# Altium PCB board_layout.pcbdoc (part 3 of 3)
Units mm, origin at the board's own origin, x right, y up, seen from the top; angles counter-clockwise.
Board outline 92.13 x 89.13 mm, 2 copper layers (Top Layer, Bottom Layer), stack 1.57 mm thick; 193 components, 117 nets, 632 pads, 279 vias.
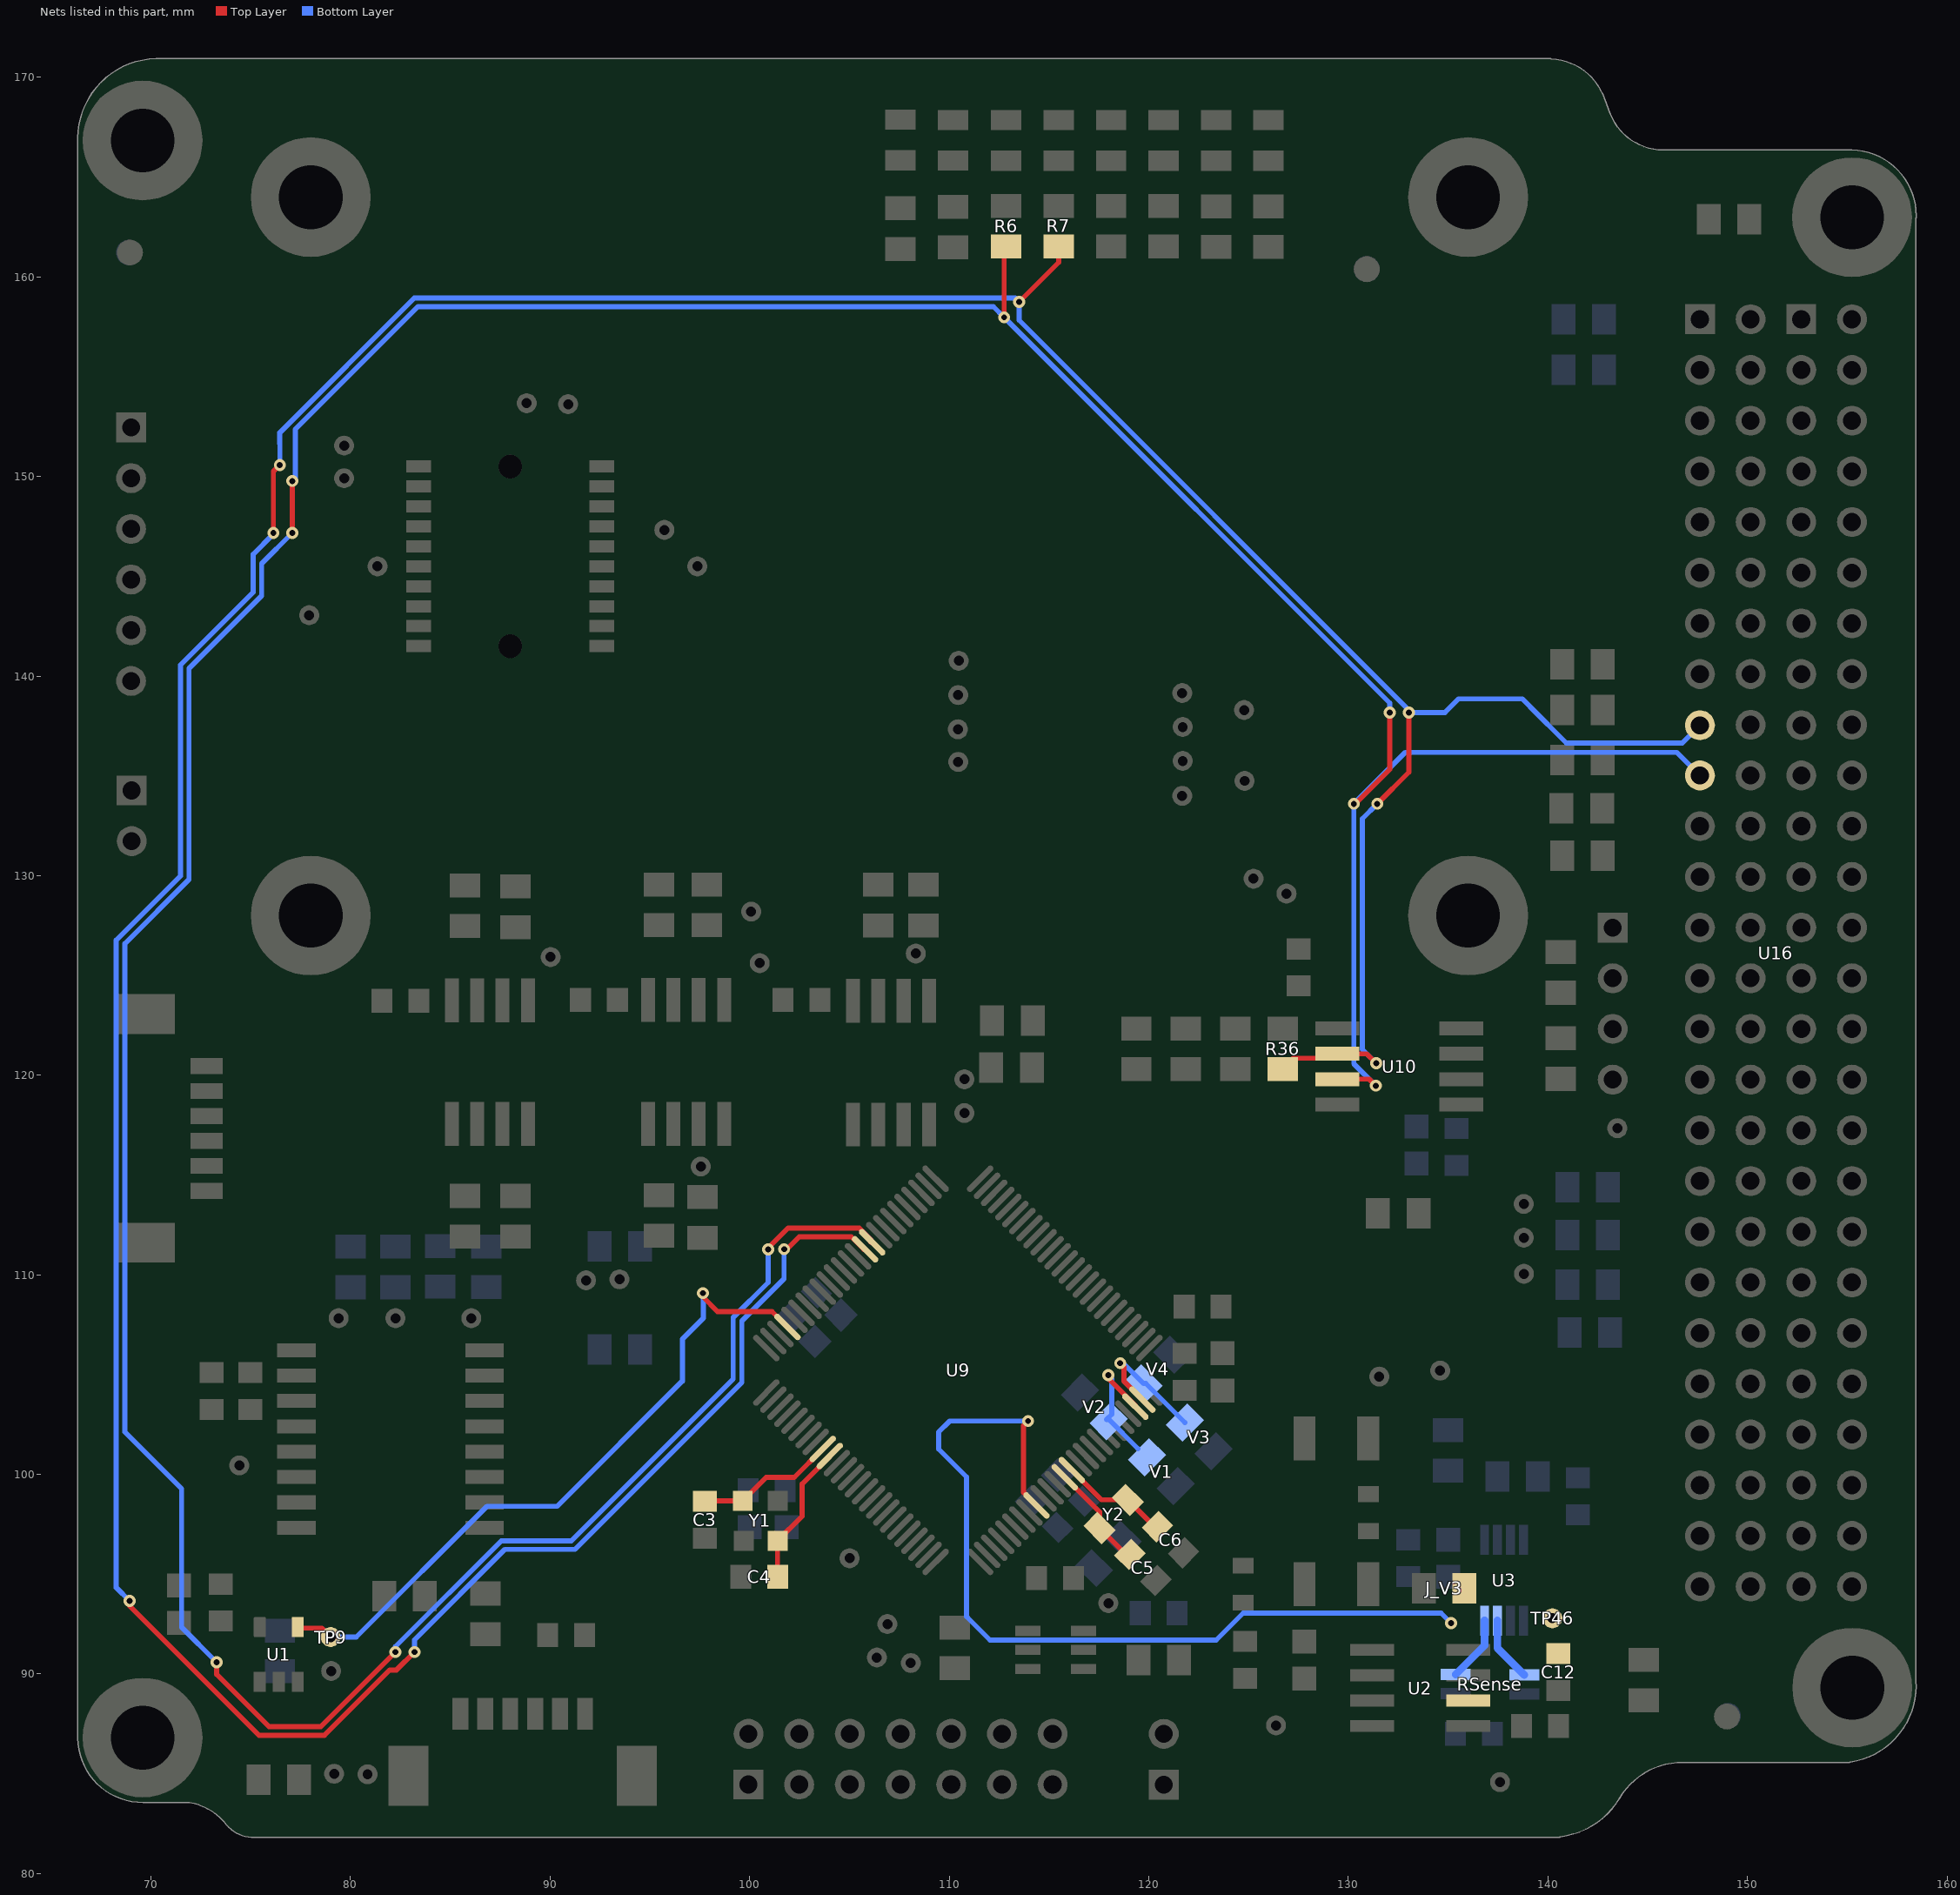
[diagram p3: the nets of this part, all layers, seen from the top]

## Via types
v1: diameter 0.6, hole 0.3, Top Layer to Bottom Layer, tented both sides, 235 vias
v2: diameter 0.8, hole 0.4, Top Layer to Bottom Layer, tented both sides, 25 vias
v3: diameter 0.8, hole 0.4, Top Layer to Bottom Layer, tented bottom, 9 vias
v4: diameter 0.8, hole 0.4, Top Layer to Bottom Layer, tented top, 8 vias
v5: diameter 0.8, hole 0.4, Top Layer to Bottom Layer, 2 vias

## Nets (pads, with @x,y where several pads share a name; then routed paths per layer and width w, separated by ;. In a path a pad name is that pad's centre, name@x,y a point inside that pad or via, vN(x,y) a via of type N, cw(c..) or ccw(c..) an arc to the next point about the centre after c; other vN are vias at no path point) (continued)
UART1_RX: R7.1 R36.1 U9.61 U10.2 U16.H1-17 | length 227.6
  Top Layer w0.254: v1(68.925,93.661) 68.925,93.414 75.414,86.925 78.686,86.925 81.962,90.201 82.301,90.201 v1(83.2,91.1) ; v1@76.133,147.45 76.133,150.256 v1(76.454,150.576) ; v1(101.725,111.286) 101.861,111.286 102.483,111.909 105.089,111.909 U9.61@105.719,111.279 ; v1(113.5,158.75) 115.486,160.736 R7.1@115.486,161.532 ; R36.1@126.704,120.309 127.245,120.85 129.229,120.85 U10.2@129.454,121.075 130.925,121.075 v1(131.4,120.6) ; v1(131.45,133.6) 133.039,135.189 v1(133.039,138.175) v1@133.039,138.289
  Bottom Layer w0.254: v1(68.925,93.661) 68.257,94.329 68.257,126.77 71.473,129.986 71.473,140.561 75.114,144.202 75.114,146.099 v1@76.133,147.119 ; v1(76.454,150.576) 76.454,151.635 76.454,152.2 83.194,158.94 113.309,158.94 v1(113.5,158.75) 113.5,157.836 133.039,138.297 v1@133.039,138.289 ; v1(83.2,91.1) 83.2,91.709 87.732,96.241 91.244,96.241 99.605,104.602 99.605,107.684 101.725,109.804 v1(101.725,111.286) ; v1(131.4,120.6) 130.707,121.293 130.707,132.857 v1(131.45,133.6) ; v1(133.039,138.175) 134.838,138.175 135.518,138.855 138.725,138.855 139.105,138.476 139.105,138.47 140.925,136.65 146.735,136.65 U16.H1-17@147.62,137.535
  other v1: 76.133,147.171
UART1_TX: R6.1 U9.60 U10.3 U16.H1-19 | length 225.7
  Top Layer w0.254: v1(73.287,90.587) 73.287,89.982 75.913,87.357 78.507,87.357 v1(82.25,91.1) ; v1@77.075,147.45 v1(77.075,149.775) ; v1(100.93,111.275) 100.93,111.347 101.924,112.34 105.492,112.34 106.072,111.76 106.072,111.632 U9.60@106.136,111.632 ; v1(112.75,157.975) 112.75,161.424 R6.1@112.857,161.532 ; U10.3@129.454,119.805 131.045,119.805 v1(131.375,119.475) ; v1@130.312,133.562 132.075,135.325 v1(132.075,138.175)
  Bottom Layer w0.254: v1(73.287,90.587) 71.534,92.341 71.534,99.281 68.689,102.126 68.689,126.591 71.905,129.807 71.905,140.382 75.545,144.023 75.545,145.641 v1(77.075,147.171) ; v1(77.075,149.775) 77.225,149.925 77.225,152.361 83.373,158.509 112.216,158.509 v1(112.75,157.975) 132.075,138.65 v1(132.075,138.175) ; v1(82.25,91.1) 82.25,91.369 87.553,96.673 91.065,96.673 99.173,104.781 99.173,107.863 100.93,109.619 v1(100.93,111.275) ; v1(131.375,119.475) 130.275,120.575 v1(130.275,133.6) 132.855,136.18 146.46,136.18 U16.H1-19@147.62,135.02
VERSION_BIT0: U9.23 V1.1 V2.2 | length 6.7
  Top Layer w0.254: v1(117.975,104.975) 117.975,104.808 119.324,103.46 U9.23@119.324,103.395
  Bottom Layer w0.254: v1(117.975,104.975) 118.145,104.805 118.145,103.015 117.886,102.757 117.993,102.757 119.457,101.293
VERSION_BIT1: U9.24 V3.1 V4.2 | length 6.8
  Top Layer w0.254: v1(118.567,105.575) 118.75,105.392 118.75,104.675 U9.24@119.677,103.748
  Bottom Layer w0.254: v1(118.567,105.575) 118.713,105.575 V4.2@119.732,104.557 119.843,104.557 V3.1@121.807,102.593
VREF: C12.1 J_V3.1 TP46.1 U2.6 U9.9 | length 44.7
  Top Layer w0.254: v1(113.95,102.675) 113.725,102.45 113.725,99.094 U9.9@114.374,98.445
  Bottom Layer w0.254: v1(113.95,102.675) 110.025,102.675 109.475,102.125 109.475,101.269 110.868,99.875 110.868,92.871 112.039,91.7 123.375,91.7 124.725,93.05 134.65,93.05 v1(135.15,92.55)
VSENSE2_N: RSense.4 U3.7 | length 3.3
  Bottom Layer w0.381: U3.7@137.475,92.675 137.475,91.3 RSense.4@138.825,89.95
VSENSE2_P: RSense.3 U3.8 | length 3.3
  Bottom Layer w0.381: RSense.3@135.375,89.975 136.825,91.425 U3.8@136.825,92.675
WDI_EXT: TP9.1 U1.4 U9.72 | length 34.8
  Top Layer w0.254: U1.4@77.35,92.35 77.3,92.3 78.55,92.3 TP9.1@79,91.85 ; v1(97.655,109.08) 97.655,108.895 98.39,108.16 101.123,108.16 U9.72@101.894,107.39
  Bottom Layer w0.254: TP9.1@79,91.85 80.288,91.85 86.838,98.4 90.35,98.4 96.625,104.675 96.625,106.775 97.672,107.822 97.672,109.063 v1(97.655,109.08)
XT1IN: C5.2 U9.13 Y2.1 | length 5.3
  Top Layer w0.254: U9.13@115.788,99.859 117.532,98.116 Y2.1@117.532,97.312 118.851,95.992 C5.2@119.054,95.992
XT1OUT: C6.2 U9.14 Y2.2 | length 5.6
  Top Layer w0.254: U9.14@116.142,100.213 117.628,98.726 Y2.2@118.946,98.726 120.356,97.316 C6.2@120.523,97.316
XT2_N: C3.1 U9.84 Y1.1 | length 7
  Top Layer w0.254: C3.1@97.75,98.65 97.775,98.675 Y1.1@99.65,98.675 100.825,99.85 102.238,99.85 U9.84@103.661,101.273
XT2_P: C4.1 U9.85 Y1.3 | length 7.1
  Top Layer w0.254: C4.1@101.397,94.861 101.397,96.672 Y1.3@101.4,96.675 102.625,97.9 102.625,99.518 U9.85@104.021,100.914
pads on no net: FD1.FD0 FD2.FD0 FD3.FD0 FD4.FD0 FD5.FD0 FD6.FD0 MEC1.0 MEC2.0 MEC3.0 MEC5.0 MEC6.0 MEC7.0 P1.0 P2.3 P2.4 P2.5 P2.6 P2.8 P2.10 P2.11 P2.13 P3.None P4.0 U2.1 U2.3 U2.7 U2.8 U3.4 U3.5 U3.6 U5.4 U5.5 U5.6 U5.11 U5.12 U5.13 U5.14 U9.4 U9.16 U9.20 U9.29 U9.30 U9.41 U9.58 U9.59 U9.62 U9.68 U9.69 U9.76 U9.77 U9.78 U9.79 U9.80 U9.81 U9.82 U9.86 U9.87 U9.88 U16.H1-2 U16.H1-4 U16.H1-5 U16.H1-6 U16.H1-10 U16.H1-13 U16.H1-14 U16.H1-15 U16.H1-16 U16.H1-22 U16.H1-24 U16.H1-25 U16.H1-26 U16.H1-27 U16.H1-28 U16.H1-33 U16.H1-34 U16.H1-36 U16.H1-38 U16.H1-42 U16.H1-44 U16.H1-47 U16.H1-48 U16.H1-49 U16.H1-50 U16.H1-51 U16.H1-52 U16.H2-1 U16.H2-2 U16.H2-5 U16.H2-6 U16.H2-7 U16.H2-9 U16.H2-10 U16.H2-15 U16.H2-16 U16.H2-17 U16.H2-19 U16.H2-21 U16.H2-23 U16.H2-24 U16.H2-25 U16.H2-26 U16.H2-27 U16.H2-28 U16.H2-33 U16.H2-34 U16.H2-37 U16.H2-38 U16.H2-43 U16.H2-44 U16.H2-47 U16.H2-48 U16.H2-50 U16.H2-52
copper on no net: | length 16.6
  Top Layer w0.2: 76.975,168.763 77.15,168.763 ; 76.975,169.588 77.15,169.763 77.15,168.763 ; 77.325,168.763 77.15,168.763 ; 76.375,168.463 76.375,170.063 77.875,170.063 77.875,168.463 76.375,168.463
  Bottom Layer w0.2: 78.675,169.588 78.85,169.763 79.175,169.763 79.325,169.613 79.325,169.413 78.675,168.763 79.325,168.763 ; 78.275,168.463 78.275,170.063 79.775,170.063 79.775,168.463 78.275,168.463

## Polygon pours and split planes (outlines as drawn)
GND on Top Layer "Top Layer-GND 8" (solid, remove dead copper, pour order 136): 158.434,164.243 156.475,166.175 145.672,166.175 141.044,170.803 75.8,170.803 68.55,170.804 66.55,168.804 66.55,85.675 68.7,83.525 72.508,83.525 74.3,81.733 140.544,81.733 142.102,81.727 146.05,85.675 156.425,85.675 158.434,87.684
ANTENNA_VCC on Top Layer "Top Layer-ANTENNA_VCC" (solid, pour order 92): 94.99,132.75 95.34,133.1 108.264,133.1 108.614,132.75 108.614,132.028 76.453,132.028 74.375,129.95 74.375,120.475 73.7,119.8 73.7,118.8 71.919,118.8 71.919,121.344 73.45,122.875 73.45,130.325 76.075,132.95 78.9,135.775 78.9,140.125 70,149.025 68.7,149.025 68.262,149.463 68.262,153.2 70.835,153.2 74.76,157.125 104.475,157.125 106.797,159.447 106.797,161.675 108.3,161.675 108.3,160.625 104.6,156.925 98.344,156.925 74.863,156.925 70.575,152.637 70.575,149.45 72.662,147.363 73.35,146.675 76.537,146.675 77.5,145.712 78.863,145.712 81.775,142.8 83.9,142.8 83.9,142.2 79.8,142.2 79.8,134.893 81.986,132.75
3V3_Buffers on Top Layer "Top Layer-3V3_Buffers" (solid, pour order 16): 113.25,123.975 111.787,123.975 110.8,124.962 110.8,127.35 109.625,128.525 105.485,128.525 105.485,125.819 105.75,125.554 105.75,122.584 103.62,122.584 102.992,123.212 102.992,124.467 104.891,126.366 104.891,128.284 103.925,129.25 99.65,129.25 98.85,128.45 94.441,128.45 93.855,127.864 93.855,125.695 94.3,125.25 94.85,125.25 95.25,124.85 95.25,122.584 93.441,122.584 92.85,123.175 92.85,124.735 93.2,125.068 93.2,128.225 92.85,128.575 92.175,129.25 89.55,129.25 88.75,128.45 84.625,128.45 84.625,126.85 85.5,125.975 85.5,121.827 81.525,117.852 81.525,116.011 84.631,112.906 88.906,112.894 90.835,110.965 90.861,109.396 91.332,108.925 94.675,108.925 94.675,113.025 98.75,113.025 98.75,111.279 95.642,111.279 95.172,110.809 95.172,108.734 94.925,108.487 90.788,108.487 88.55,110.725 86.225,110.725 81.05,115.9 81.05,118.125 82.9,119.975 82.9,128.575 84.475,130.15 109.725,130.15 115.712,124.162 117.677,124.162 118.602,123.25 124.3,123.25 126.075,125.025 128.275,125.025 130.2,123.1 130.95,123.1 132.64,121.41 132.64,115.824 132.375,115.559 132.375,112.209 130.85,112.209 130.85,115.125 132.1,116.375 132.1,121 131.525,121.575 118.5,121.575 118,122.075 117.2,122.075 115.55,120.425 115.55,119.475 113.25,119.475
3V3_Watchdog_Circuit on Top Layer "Top Layer-3V3_Watchdog_Circuit" (solid, pour order 22): 82.275,94.675 80.559,94.675 80.284,94.4 75.864,94.4 74.639,93.175 70.8,93.175 70.8,92.025 72.05,90.775 73.1,90.775 73.475,90.4 77.895,90.4 78.2,90.705 78.2,91.55 76.75,91.55 76.75,93.125 79.375,93.125 82.275,93.125
AGND on Top Layer "Top Layer-AGND 1" (solid, pour order 60): 143.675,94.875 141.519,97.031 140.731,97.031 140.176,96.476 140.176,94.401 141.384,93.193 141.384,90.19 139.925,90.19 139.925,86.85 140.375,86.4 142.05,86.4 143.675,88.025
OBDH_AVCC on Top Layer "Top Layer-OBDH_AVCC" (solid, pour order 36): 115.692,89.605 115.692,90.611 114.628,91.675 112.96,91.675 112.96,92.66 114.234,93.934 114.975,93.934 114.975,95.4 113.175,95.4 112.38,94.605 111.807,94.593 110.433,95.967 109.575,95.108 109.575,93.713 110.063,93.225 111.375,93.225 111.375,91.189 112.96,89.605 113.914,88.65 121.85,88.65 126.05,84.45 132.35,84.45 134.525,86.625 134.525,95.45 132.338,97.637 130.375,97.637 130.375,93.372 131.853,93.372 133.163,92.062 133.163,90.863 132.525,90.225 131.3,90.225 131.3,89.65 132.325,89.65 133.039,88.936 133.039,86.875 131.964,85.8 129.376,85.8 128.4,86.776 128.4,89.05 128.4,90.525 128.175,90.75 123.488,90.75 123.302,90.564 122.343,89.605
AGND on Top Layer "Top Layer-AGND" (solid, pour order 32): 115.225,95.65 113.373,95.65 115.325,97.602 115.325,97.996 114.783,98.538 114.99,98.745 115.486,98.25 115.846,98.25 116.022,98.426 116.024,98.7 115.49,99.245 115.681,99.436 116.142,98.985 116.4,98.725 116.4,96.366 116.8,95.966 116.8,93.525 115.625,92.35 115.625,91.887 115.959,91.553 117.653,91.553 118.765,92.665 122.015,92.665 123.325,93.975 125.639,93.975 127.263,95.6 128.875,95.6 128.875,93.055 129.7,92.23 129.7,88.45 130.175,87.975 132.7,87.975 132.7,87.025 131.697,86.022 129.553,86.022 128.7,86.875 128.7,90.65 128.35,91 123.375,91 122.145,89.77 120.415,89.77 120.415,91.75 118.626,91.75 117.826,90.95 115.825,90.95 115.225,91.55 115.225,92.85
OBDH_DVCC on Top Layer "Top Layer-OBDH_DVCC" (solid, pour order 14): 132.8,105.425 132.075,106.15 132.075,109.675 134.3,111.9 134.3,113.991 132.625,113.991 132.625,111.591 129.725,108.691 129.725,105.55 128.675,104.5 119.425,104.5 120.55,103.375 128.934,103.375 130.375,101.934 130.375,98.6 131.6,98.6 131.6,103.15 132.8,104.35
3V3_MEMORY on Top Layer "Top Layer-3V3_MEMORY" (solid, pour order 20): 76.467,105.1 75.85,105.717 75.85,106.834 75.434,107.25 72.741,107.25 72.328,106.837 72.328,104.572 77.516,104.572 77.516,105.1
OBDH_DVCC on Top Layer "Top Layer-OBDH_DVCC 2" (solid, pour order 42): 83.125,94.711 83.717,95.3 89.1,95.3 89.6,94.8 89.6,93.434 89.316,93.15 83.125,93.15
JTAG_VCC on Top Layer "Top Layer-JTAG_VCC" (solid, pour order 28): 88.201,83.275 85.9,85.574 85.9,88.825 85.1,88.825 85.1,85.075 88.369,81.806 121.625,81.806 121.625,84.675 119.075,84.675 117.45,83.05 98.656,83.05 98.656,86.05 100.5,86.05 100.95,86.5 100.95,87.558 100.558,87.95 98.625,87.95 93.95,83.275
OBDH_VCC on Top Layer "Top Layer-OBDH_VCC" (solid, pour order 24): 144,91.7 144,100.6 146.475,103.075 150.6,103.075 151.1,102.575 151.1,101.45 150.55,100.9 146.845,100.9 145.925,99.98 145.925,89.875 144,89.875
OBDH_DVCC on Top Layer "Top Layer-OBDH_DVCC 3" (solid, pour order 96): 93.45,139 92.875,138.425 87.974,138.425 84.599,141.8 82.7,141.8 82.7,141.025 84.275,141.025 87.675,137.625 96.625,137.625 110.95,151.95 110.95,161.7 109.425,161.7 109.425,160.1 110.65,158.875 110.65,152.05 97.6,139
BATTERY_VCC on Top Layer "Top Layer-BATTERY_VCC" (solid, pour order 102): 82.8,143.2 82.8,143.8 84.6,143.8 88.5,147.7 88.5,149.731 88.933,150.164 89.836,150.164 90.3,149.7 90.3,148.7 84.8,143.2
ESD on Top Layer "Top Layer-ESD" (solid, pour order 124): 149.5,166.365 149.5,162.15 151,162.15 153.5,159.65 158.434,159.65 158.434,164.616 156.685,166.365
VREF on Top Layer "Top Layer-VREF" (solid, pour order 54): 137.85,88.5 139.075,88.5 139.5,88.925 139.5,90.5 141.125,90.5 141.125,93.025 138.75,95.4 134.725,95.4 134.725,93.097 134.725,92.325 135,92.05 135.375,92.05 137.197,92.05 137.896,91.351 137.896,89.366 137.364,88.834 135.9,88.834 135.9,88.5
COMMON_VCC on Top Layer "Top Layer-COMMON_VCC" (solid, pour order 26): 142.281,86.106 139.862,86.106 139.485,86.494 134.783,86.494 134.395,86.106 132.528,84.175 125.925,84.175 121.975,88.125 119.7,88.125 119.25,87.675 119.25,86.425 119.775,85.9 122.075,85.9 122.075,81.845 141.665,81.845 145.925,86.106 145.925,89.483 144,89.483 144,87.825
no net on Top Layer "Top Layer-No Net 6" (solid, pour order 64): 124.525,105.275
OBDH_DVCC on Top Layer "Top Layer-OBDH_DVCC 1" (solid, pour order 50): 105.74,109.2
no net on Top Layer "Top Layer-No Net 7" (solid, pour order 40): 84,92.1
no net on Top Layer "Top Layer-No Net" (solid, pour order 12): 130,98.5
no net on Top Layer "Top Layer-No Net 1" (solid, pour order 10): 130.3,98.3
no net on Top Layer "Top Layer-No Net 2" (solid, pour order 6): 130,98.5
no net on Top Layer "Top Layer-No Net 3" (solid, pour order 4): 130.3,98.6
no net on Top Layer "Top Layer-No Net 4" (solid, pour order 2): 132,98.6
no net on Top Layer "Top Layer-No Net 5" (solid, pour order 0): 131.7,98.6
GND on Bottom Layer "Bottom Layer-GND 8" (solid, remove dead copper, pour order 142): 68.375,170.95 66.375,168.95 66.375,85.821 68.525,83.671 72.333,83.671 74.125,81.879 141.921,81.879 145.875,85.821 156.725,85.821 158.307,87.403 158.307,164.114 156.1,166.321 145.422,166.321 140.793,170.95
AGND on Bottom Layer "Bottom Layer-AGND 1" (solid, pour order 56): 116.416,100.981 116.275,101.122 116.275,101.775 115.851,101.775 113.963,99.887 115.547,98.303 115.547,91.85 122.85,91.85 124.5,93.5 132.1,93.5 134.994,93.5 135.994,94.5 141.726,94.5 142.31,95.085 142.31,95.674 140.534,97.45 139.2,97.45 139.2,95.775 138.372,95.775 138.372,97.636 139.461,98.725 143.725,98.725 143.725,100.384 141.968,102.141 138.363,102.141 138.362,98.663 137.9,98.2 137.9,95.775 137.525,95.4 136.635,95.4 136.128,95.907 131.9,95.907 130.692,94.7 122.954,94.7
OBDH_DVCC on Bottom Layer "Bottom Layer-OBDH_DVCC" (solid, pour order 48): 119.325,106.144 120.858,104.611 123.996,107.75 129.275,107.75 129.8,107.225 129.8,104.925 133.4,101.325 136.517,101.325 137.442,102.25 142.011,102.25 143.975,100.286 143.975,92.6 140.688,89.313 138.025,89.313 138.025,88.45 141.25,88.45 145.125,92.325 145.125,100.9 142.85,103.175 134.825,103.175 129.65,108.35 122.324,108.35 120.73,106.756 117.843,106.743 115.475,104.375 109.625,104.375 107.325,106.675 107.325,108.761 103.711,112.4 101.325,112.4 99.7,114.025 97.508,114.025 95.883,115.614 93.067,115.614 91.975,116.706 91.975,117.475 93.275,118.775 94.597,118.775 95.341,119.519 95.341,121.172 94.475,122.038 94.475,124.192 93.179,125.488 93.179,136.168 95.05,138.04 95.05,139.034 93.28,139.034 92.55,138.304 92.55,124.7 93.825,123.425 93.825,120.175 92.55,118.9 91.325,117.675 91.325,115.73 92.718,114.337 94.188,114.337 95.064,113.461 99.357,113.461 99.785,113.033 99.785,112.46 99.5,112.175 99.025,112.175 98.8,112.4 94.362,112.4 94.362,109.575 97.218,109.575 97.993,110.35 99.125,110.35 100.55,111.775 101.95,111.775 102.279,111.446 102.318,109.402 105.975,105.745 105.975,103.75 104.795,102.57 104.069,102.585 101.25,99.767 101.25,99.175 101.25,96.425 98.383,93.557 90.068,93.557 89.392,94.233 89.418,95.125 88.35,95.125 88.025,94.8 88.025,93.431 88.515,92.941 98.941,92.941 100.8,94.8 101.55,94.8 104.475,97.725 106.325,97.725 108.437,95.613 108.437,93.557 109.475,93.557 109.475,95.725 104.795,100.405 104.795,101.382 106.163,102.75 107.432,102.75 108.439,103.725 115.625,103.725 116.476,102.874 117.525,103.922 117.525,105.4 118.266,106.141
BATTERY_VCC on Bottom Layer "Bottom Layer-BATTERY_VCC" (solid, pour order 100): 140.588,105.725 135.989,110.323 134.865,110.323 133.813,111.375 123.974,111.375 118.692,111.375 114.775,115.292 114.775,123.475 108.825,129.425 108.275,129.425 105.3,132.4 105.3,143.9 100.275,148.925 91.089,148.925 90.068,149.9 88.8,149.9 88.8,148.3 99.905,148.3 104.575,143.629 104.575,132.054 110.029,126.6 110.7,126.6 113.978,123.322 113.963,114.912 118.125,110.75 133.528,110.75 139.519,104.758 143.967,104.758 145.725,103 150.94,103 151.8,102.14 152.908,101.05 155.725,101.05 156.2,101.525 156.2,102.9 155.6,103.5 146.3,103.5 144.075,105.725
ANTENNA_VCC on Bottom Layer "Bottom Layer-ANTENNA_VCC" (solid, pour order 90): 115.716,123.825 108.657,130.884 108.679,132.85 106.639,132.85 106.639,131.411 108.35,129.7 108.862,129.7 115.075,123.562 115.129,115.338 118.742,111.725 125.375,111.725 127.825,114.175 128.954,114.175 129.882,113.2 137.25,113.2 138.35,114.3 139.034,114.3 140.434,115.7 145.7,115.7 151.025,115.7 151.625,115.1 151.625,114.175 155.625,114.175 155.625,115.9 152.125,115.9 151.825,116.2 146.2,116.2 146.05,116.35 136.45,116.35 136.3,116.2 132.325,116.2 131.125,115 127.534,115 124.767,112.25 119.1,112.25 115.736,115.614
3V3_MEMORY on Bottom Layer "Bottom Layer-3V3_MEMORY" (solid, pour order 18): 77.425,110.325 87.55,110.325 88.325,111.1 91.107,111.1 91.407,110.8 91.657,110.55 93.25,110.55 93.25,112.15 78.32,112.15 72.675,106.505 72.675,106.05 75.581,106.05 75.581,108.481
OBDH_AVCC on Bottom Layer "Bottom Layer-OBDH_AVCC" (solid, pour order 84): 112.231,92.994 112.37,92.855 113.165,92.865 117.118,96.818 113.968,99.968 115.725,101.725 115.725,102.18 115.345,102.55 114.948,102.55 114.578,102.18 111.7,102.18 111.7,98.139 111.7,93.525
COMMON_VCC on Bottom Layer "Bottom Layer-COMMON_VCC" (solid, pour order 58): 134,86.9 134,89.3 136.4,89.3 136.4,88.597 135.9,88.097 135.9,86.325 134.325,84.75 123.75,84.75 122.1,86.4 119.675,86.4 119.25,86.825 119.25,87.925 119.65,88.325 122.075,88.325 124.5,85.9 133,85.9
3V3_CURRENT_SENSING on Bottom Layer "Bottom Layer-3V3_CURRENT_SENSING" (solid, pour order 82): 137,98.195 136.55,98.645 136.55,101 133.9,101 131.9,99 131.9,96 137,96
AGND on Bottom Layer "Bottom Layer-AGND" (solid, pour order 74): 136.601,88.301 136.601,90.25 137.725,90.25 137.725,88.175 141.675,88.175 142.251,88.175 142.5,87.926 142.5,87.55 141.231,86.281 136.181,86.281 136.181,87.881
no net on Bottom Layer "Bottom Layer-No Net 3" (solid, pour order 104): 102.25,146.4
no net on Bottom Layer "Bottom Layer-No Net 2" (solid, pour order 98): 155.746,100.6
no net on Bottom Layer "Bottom Layer-No Net" (solid, pour order 80): 137,97.575
no net on Bottom Layer "Bottom Layer-No Net 1" (solid, pour order 46): 103.8,104.3

## Keep-outs
Keep-Out Layer:
  lines w0.2: 76.375,168.463 76.375,170.063 79.675,170.063 79.675,168.463 76.375,168.463
  lines w0.254: 66.454,166.938 66.454,86.788 ccw(c69.579,86.813) 69.604,83.688 71.929,83.688 cw(c71.435,80.649) 73.886,82.513 ccw(c75.159,83.622) 75.179,81.934 140.53,81.934 ; 66.458,166.861 cw(c70.333,166.938) 70.256,170.812 ; 70.279,170.813 139.114,170.813 ; 139.048,170.784 cw(c139.114,166.601) 143.048,168.024 ; 139.816,81.96 ccw(c140.155,85.82) 143.485,83.841 cw(c146.742,81.914) 146.47,85.688 155.084,85.688 ; 143.027,168.099 ccw(c145.771,169.193) 145.759,166.238 ; 145.771,166.238 155.229,166.238 cw(c155.156,163.066) 158.329,162.993 ; 155.049,85.691 ccw(c154.648,89.404) 158.378,89.609 ; 158.382,89.608 158.382,163.016
  lines w0.762: 66.05,167.16 cw(c70.581,166.606) 69.848,171.112 ; 66.17,86.48 ccw(c69.295,86.505) 69.32,83.38 71.645,83.38 cw(c71.151,80.341) 73.602,82.205 ; 73.687,82.129 ccw(c74.96,83.238) 74.98,81.55 ; 139.34,171.07 cw(c139.484,167.13) 143.012,168.89 ; 139.963,81.709 ccw(c140.302,85.569) 143.45,83.31 ; 143.042,168.858 ccw(c146.269,169.886) 146.03,166.508 155.028,166.508 ; 143.56,83.48 cw(c146.816,81.554) 146.545,85.327 ; 146.636,85.38 155.25,85.38 ccw(c154.849,89.094) 158.205,87.453 ; 154.707,166.497 cw(c154.618,162.603) 158.512,162.514

## Other copper
Top Layer:
  pour cut-out: 132.778,88.438 129.7,88.437 129.7,87.775 132.772,87.775
  pour cut-out: 120.886,90.425 120.201,90.425 120.201,89.7 120.879,89.7
  pour cut-out: 140.287,90.226 139.637,90.226 139.637,86.425 140.254,86.425
  pour cut-out: 72.774,95.284 72.089,95.284 72.089,94.933 72.771,94.933
  pour cut-out: 149.005,89.125
  pour cut-out: 67.7,161.23
  pour cut-out: 130.93,161.625
  pour cut-out: 149.105,90.95
  pour cut-out: 70.255,102.4
  pour cut-out: 135.535,146.7
  pour cut-out: 111.471,156.5
  pour cut-out: 107.3,158.897
  pour cut-out: 152.7,89.4
  pour cut-out: 152.5,86
  pour cut-out: 72.4,141.525
  pour cut-out: 83.025,167.775
  region: 82.775,167.95
  text "'.Layer_Name'" at 231.245,45.003 h2.5
Bottom Layer:
  pour cut-out: 156.5,159.525
  pour cut-out: 146.2,160.325
  text "'.Layer_Name'" at 231.245,45.003 h2.5

## Silkscreen, mask and mechanical layers (free items; w line width, h text height)
Top Overlay:
  drawing of 1001 lines, arcs and shapes, not listed
  text "D_BOARD_GND" at 131.8,167.525 h0.81
  text "OBDH2 v0.5" at 84.08,161.825 h0.81
  text "FD_TL" at 67.25,159.025 h0.81
  text "FD_TR" at 129.15,157.75 h0.81
  text "GND" at 138.396,152.325 h0.81
  text "ANT_VCC" at 71,152.1 h0.81
  text "ANT_VCC" at 107.965,150.849 h0.81 r90
  text "UART1_TX" at 113.25,150.172 h0.81 r90
  text "UART1_RX" at 115.893,150.172 h0.81 r90
  text "7" at 145.68,150.12 h0.75 r90
  text "UART0_TX" at 118.536,150.037 h0.81 r90
  text "UART0_RX" at 121.179,150.037 h0.81 r90
  text "8" at 157.74,149.88 h0.75 r90
  text "CS" at 80.699,149.802 h0.81
  text "ANT_VCC" at 71,149.589 h0.81
  text "I2C" at 94.175,149.525 h0.81
  text "OBDH_DVCC" at 110.607,149.224 h0.81 r90
  text "FAULT_LED" at 123.822,149.224 h0.81 r90
  text "SYSTEM_LED" at 126.471,148.412 h0.81 r90
  text "SPI" at 80.191,147.327 h0.81
  text "I2C_SDA" at 71,147.078 h0.81
  text "ADC" at 94.225,146.225 h0.81
  text "GPIO" at 94.175,144.775 h0.81
  text "I2C_SCL" at 71,144.567 h0.81
  text "GPIO" at 79.25,144.55 h0.81
  text "BAT" at 79.937,143.286 h0.81
  text "ADD_GPIO" at 132.9,143.05 h0.81
  text "ANT" at 79.937,142.067 h0.81
  text "GND" at 94.175,141.983 h0.81
  text "GPIO" at 71,141.886 h0.81
  text "DVCC" at 79.175,140.859 h0.81
  text "15" at 145.68,139.42 h0.75 r90
  text "16" at 157.74,139.42 h0.75 r90
  text "GND" at 71,139.375 h0.81
  text "D_BOARD" at 84.425,138.675 h0.81
  text "ANT" at 67.7,137.05 h0.81
  text "GND" at 75.75,136.725 h0.81
  text "TX" at 70.85,134.025 h0.81
  text "GND" at 111.096,132.475 h0.81
  text "RX" at 70.85,131.4 h0.81
  text "ADD_I2C1" at 126.159,129.625 h0.81
  text "23" at 145.68,129.34 h0.75 r90
  text "24" at 157.74,129.17 h0.75 r90
  text "UART" at 67.95,127.4 h0.81
  text "GND" at 75.696,122.75 h0.81
  text "GND" at 157.74,121.13 h0.75 r90
  text "GND" at 145.64,120.7 h0.75 r90
  text "ANT_VCC" at 74.275,120.225 h0.81
  text "31" at 145.68,119.12 h0.75 r90
  text "32" at 157.74,119.05 h0.75 r90
  text "ANT_VCC" at 74.275,118.97 h0.81
  text "I2C_SDA" at 74.275,117.716 h0.81
  text "I2C_SCL" at 74.275,116.461 h0.81
  text "GPIO" at 74.275,115.08 h0.81
  text "GND" at 74.275,113.825 h0.81
  text "39" at 145.68,108.99 h0.75 r90
  text "40" at 157.74,108.81 h0.75 r90
  text "ANT" at 67.95,108.8 h0.81
  text "GND" at 68.164,102.925 h0.81
  text "45" at 145.68,101.36 h0.75 r90
  text "46" at 157.74,101.22 h0.75 r90
  text "GND" at 92.023,95.05 h0.81
  text "FD_BR" at 147.1,89.575 h0.81
  text "VCC" at 85.875,89.054 h0.81 r90
  text "TDO" at 87.126,89.054 h0.81 r90
  text "TCK" at 88.377,89.054 h0.81 r90
  text "TX" at 89.629,89.054 h0.81 r90
  text "RX" at 90.88,89.054 h0.81 r90
  text "GND" at 92.2,89.054 h0.81 r90
  text "JTAG" at 101.575,88.925 h0.81
  text "JTAG" at 79.775,86.975 h0.81
  text "J_SUPPLY" at 122.575,83.425 h0.81
  text "'.Layer_Name'" at 231.245,45.003 h2.5
Bottom Overlay:
  drawing of 150 lines, arcs and shapes, not listed
  text "GND" at 103.85,167.561 h0.81
  text "D_BOARD_GND" at 140.45,167.475 h0.81
  text "+Y" at 85.558,166.142 h0.81
  text "SATELLITE ESD" at 151.525,163.633 h0.81
  text "+X" at 89.358,162.392 h0.81
  text "PROTECTION NUT" at 151.525,162.358 h0.81
  text "FD_TR" at 132.625,162.075 h0.81
  text "-Z" at 83.958,161.217 h0.81
  text "12C2_BUF" at 93.825,160.3 h0.81 r90
  text "ADD_I2C0" at 139.8,159.95 h0.81
  text "ADD_I2C0" at 152.225,159.875 h0.81
  text "FD_TL" at 70.775,159.025 h0.81
  text "GND" at 83.739,154.625 h0.81
  text "GPIO" at 157.75,154.546 h0.81 r90
  text "M_RADIO" at 145.85,150.55 h0.81 r90
  text "GND" at 140.571,147.525 h0.81
  text "TTC_SPI" at 157.7,146.425 h0.81 r90
  text "D_BOARD_SIGNALS" at 98.45,142.875 h0.81
  text "12C_BUF" at 111.774,142.35 h0.81
  text "TTC_SIGNALS" at 130.7,141.15 h0.81
  text "UART1" at 146.05,138.65 h0.81 r90
  text "ADD_GPIO" at 157.7,137.85 h0.81 r90
  text "PAYLOAD_EN" at 144,134.275 h0.81
  text "ADD_I2C1" at 146,133.3 h0.81 r90
  text "RS-485" at 144.125,129.075 h0.81
  text "RX+" at 141.846,127 h0.81
  text "RX-" at 141.846,124.4 h0.81
  text "GND" at 157.7,121.95 h0.81 r90
  text "TX-" at 141.846,121.775 h0.81
  text "GND" at 85.675,120.225 h0.81
  text "TX+" at 141.846,119.209 h0.81
  text "ANT_VCC" at 157.725,117.325 h0.81 r90
  text "GND" at 128.649,116.775 h0.81
  text "ADD_SPI" at 146.2,116.75 h0.81
  text "SPI" at 139.475,115.325 h0.81
  text "GND" at 72.796,112.175 h0.81
  text "ADD_SPI" at 157.75,110.775 h0.81 r90
  text "PAYLOAD_I2C" at 146.025,104.075 h0.81
  text "BAT_VCC" at 157.725,104 h0.81 r90
  text "OBDH_VCC" at 145.925,102.925 h0.81 r90
  text "GND" at 128.45,98.391 h0.81
  text "JTAG_RED" at 111.7,97.725 h0.81
  text "JTAG_REDUNDANT" at 87.075,97.15 h0.81
  text "WD_SGINALS" at 85.625,94.125 h0.81
  text "EPS_I2C" at 153.725,92.1 h0.81
  text "J_SUPPLY" at 118.225,91.525 h0.81 r90
  text "OFF-PC104" at 123.225,91.3 h0.81 r90
  text "ON-JTAG" at 124.7,90.3 h0.81 r90
  text "FD_BR" at 150.65,89.575 h0.81
  text "JTAG_VCC" at 98.75,86.375 h0.81
  text "TDO_TDI" at 98.75,83.925 h0.81
  text "JTAG" at 82.125,82.35 h0.81
  text "TCK" at 108.425,82.325 h0.81
  text "GND" at 111.9,82.325 h0.81
  text "'.Layer_Name'" at 231.245,45.003 h2.5
Top Paste:
  text "'.Layer_Name'" at 231.245,45.003 h2.5
Bottom Paste:
  text "'.Layer_Name'" at 231.245,45.003 h2.5
Top Solder:
  rectangle: 76.175,168.263 79.875,170.263
  lines w0.2: 76.175,168.463 ccw(c76.375,168.463) 76.375,168.263 79.675,168.263 ccw(c79.675,168.463) 79.875,168.463 79.875,170.063 ccw(c79.675,170.063) 79.675,170.263 76.375,170.263 ccw(c76.375,170.063) 76.175,170.063 76.175,168.463
  text "'.Layer_Name'" at 231.245,45.003 h2.5
Bottom Solder:
  rectangle: 76.175,168.263 79.875,170.263
  lines w0.2: 76.175,168.463 ccw(c76.375,168.463) 76.375,168.263 79.675,168.263 ccw(c79.675,168.463) 79.875,168.463 79.875,170.063 ccw(c79.675,170.063) 79.675,170.263 76.375,170.263 ccw(c76.375,170.063) 76.175,170.063 76.175,168.463
  text "'.Layer_Name'" at 231.245,45.003 h2.5
Drill Guide:
  text "'.Layer_Name'" at 231.245,45.003 h2.5
3D Body:
  text "'.Layer_Name'" at 231.275,44.958 h2.5
Dimension:
  text "'.Layer_Name'" at 231.245,45.003 h2.5
Mechanical 3:
  text "'.Layer_Name'" at 238.57,51.195 h2.5
Mechanical 4:
  text "'.Layer_Name'" at 238.57,51.195 h2.5
Mechanical 8:
  text "'.Layer_Name'" at 238.57,51.195 h2.5
Board Edge:
  lines w0.254: 73.704,82.744 ccw(c75.253,83.918) 75.3,81.975 139.7,81.975 ccw(c139.868,86.293) 143.525,83.991 cw(c146.672,82.027) 146.664,85.737 154.713,85.737 ; 73.729,82.725 ccw(c71.492,80.747) 71.55,83.732 69.642,83.732 cw(c69.549,86.85) 66.429,86.866 66.429,166.691 cw(c70.373,166.905) 70.263,170.854 139.899,170.854 ; 139.859,170.854 cw(c139.899,167.858) 142.698,168.929 143.008,168.119 ccw(c145.683,169.14) 145.561,166.279 146.563,166.279 155.175,166.279 cw(c155.112,163.057) 158.335,162.994 158.335,89.386 cw(c154.713,89.359) 154.705,85.737
ASM Bottom:
  text "'.Layer_Name'" at 231.275,45.008 h2.5
ASM Top:
  lines w0.1: 146.355,93.008 146.355,159.358 156.54,159.358 156.54,93.008 146.355,93.008
  text "U16" at 149.02,143.41 h1 r90
  text "'.Layer_Name'" at 231.245,45.003 h2.5
Sheet:
  drawing of 235 lines, arcs and shapes, not listed
  text "1" at 62.42,218.152 h1.78
  text "2" at 135.064,218.152 h1.78
  text "3" at 208.216,218.152 h1.78
  text "4" at 281.114,218.152 h1.78
  text "A" at 28.079,195.14 h1.78
  text "A" at 315.099,195.14 h1.78
  text "Layer" at 185.5,173.638 h1.52
  text "Name" at 195.912,173.638 h1.52
  text "Material" at 220.797,173.638 h1.52
  text "Thickness" at 242.635,173.638 h1.52
  text "Constant" at 259.141,173.638 h1.52
  text "Board Layer Stack" at 273.615,173.638 h1.52
  text "1" at 185.5,170.59 h1.52
  text "Top Overlay" at 195.912,170.59 h1.52
  text "2" at 185.5,167.542 h1.52
  text "Top Solder" at 195.912,167.542 h1.52
  text "Solder Resist" at 220.797,167.542 h1.52
  text "0,39mil" at 242.635,167.542 h1.52
  text "3,5" at 259.141,167.542 h1.52
  text "3" at 185.5,164.494 h1.52
  text "Top Layer" at 195.912,164.494 h1.52
  text "Copper" at 220.797,164.494 h1.52
  text "1,38mil" at 242.635,164.494 h1.52
  text "4" at 185.5,161.446 h1.52
  text "Dielectric Core" at 195.912,161.446 h1.52
  text "FR-4" at 220.797,161.446 h1.52
  text "59,06mil" at 242.635,161.446 h1.52
  text "4,8" at 259.141,161.446 h1.52
  text "5" at 185.5,158.398 h1.52
  text "Bottom Layer" at 195.912,158.398 h1.52
  text "Copper" at 220.797,158.398 h1.52
  text "1,38mil" at 242.635,158.398 h1.52
  text "6" at 185.5,155.35 h1.52
  text "Bottom Solder" at 195.912,155.35 h1.52
  text "Solder Resist" at 220.797,155.35 h1.52
  text "0,39mil" at 242.635,155.35 h1.52
  text "3,5" at 259.141,155.35 h1.52
  text "7" at 185.5,152.302 h1.52
  text "Bottom Overlay" at 195.912,152.302 h1.52
  text "B" at 28.079,147.083 h1.78
  text "B" at 315.099,147.083 h1.78
  text "Fabrication specifications:" at 183.881,114.844 h3.1
  text "C" at 28.079,98.569 h1.78
  text "C" at 315.099,98.569 h1.78
  text "- Copper base 1OZ:  / - PCB Material: Prepeg FR4-Standard / - PCB Tickness: 1.6mm / - PCB Surface: HASL (with lead)" at 183.875,97.86 h1.73
  text "- Silkscreen Color: White (top and bottom) / - Soldermask Color: Blue / - Vias: Force Complete Tenting / - Special: Stack-up (herein included)" at 241.575,97.86 h1.73
  text "Assembly specifications:" at 184.156,91.864 h3.1
  text "- Solder composition: Include lead / - Fiducials: 3 top and 3 bottom avaliable / - Check BOM for not placed components" at 184.15,74.87 h1.73
  text "SpaceLab - Federal University of Santa Catarina" at 224.174,54.541 h2.5
  text "D" at 28.079,50.563 h1.78
  text "D" at 315.099,50.563 h1.78
  text "Project:" at 224.174,50.041 h2.5
  text "OBDH2" at 232.174,50.041 h2.5
  text "Layer:" at 224.174,45.041 h2.5
  text "Designed by:" at 224.174,40.041 h2.5
  text "Project Code:" at 282.174,40.041 h2.5
  text "OBDH2" at 296.674,40.041 h2.5
  text "Andre M. P. Mattos" at 238.1,40.008 h2.5
  text "v0.5" at 262.2,35.108 h2.5
  text "Date:" at 224.174,35.041 h2.5
  text "'.Print_Date'" at 230.174,35.041 h2.5
  text "Version:" at 253.174,35.041 h2.5
  text "Size:" at 282.174,35.041 h2.5
  text "A4" at 288.174,35.041 h2.5
  text "1" at 62.42,30.192 h1.78
  text "2" at 135.064,30.192 h1.78
  text "3" at 208.216,30.192 h1.78
  text "4" at 281.114,30.192 h1.78
Drill Drawing:
  circle w0.254: c185.938,127.554 r0.675
  lines w0.254: 185.263,130.255 185.6,130.255 185.938,129.917 186.276,130.255 186.613,130.255 186.276,130.593 186.613,130.93 186.276,130.93 185.938,131.268 185.6,130.93 185.263,130.93 185.6,130.593 185.263,130.255 ; 185.263,132.956 186.613,132.956 186.613,134.307 185.263,134.307 185.263,132.956 ; 185.263,136.671 185.938,135.996 186.613,136.671 185.938,137.346 185.263,136.671 ; 185.263,139.372 185.6,139.372 185.6,139.035 186.276,139.035 186.276,139.372 186.613,139.372 186.613,140.048 186.276,140.048 186.276,140.386 185.6,140.386 185.6,140.048 185.263,140.048 185.263,139.372 ; 185.263,142.074 186.613,142.074 186.613,143.425 185.263,143.425 185.263,142.074 ; 185.533,142.344 186.343,142.344 186.343,143.155 185.533,143.155 185.533,142.344
  lines w0.381: 184.035,125.966 300.377,125.966 ; 184.035,144.201 300.377,144.201 ; 195.361,122.927 195.361,147.241 ; 207.617,122.927 207.617,147.241 ; 231.418,122.927 231.418,147.241 ; 241.832,122.927 241.832,147.241 ; 256.865,122.927 256.865,147.241 ; 287.35,122.927 287.35,147.241 ; 184.035,122.927 300.377,122.927 300.377,147.241 184.035,147.241 184.035,122.927
  text "Symbol" at 185.859,145.113 h1.46
  text "Count" at 196.273,145.113 h1.46
  text "Hole Size" at 208.529,145.113 h1.46
  text "Plated" at 232.33,145.113 h1.46
  text "Hole Type" at 242.744,145.113 h1.46
  text "Drill Layer Pair" at 257.776,145.113 h1.46
  text "Via/Pad" at 288.262,145.113 h1.46
  text "235" at 196.273,142.074 h1.22
  text "0,300mm (11,81mil)" at 208.529,142.074 h1.22
  text "PTH" at 232.33,142.074 h1.22
  text "Round" at 242.744,142.074 h1.22
  text "Top Layer - Bottom Layer" at 257.776,142.074 h1.22
  text "Via" at 288.262,142.074 h1.22
  text "44" at 196.273,139.035 h1.22
  text "0,400mm (15,75mil)" at 208.529,139.035 h1.22
  text "PTH" at 232.33,139.035 h1.22
  text "Round" at 242.744,139.035 h1.22
  text "Top Layer - Bottom Layer" at 257.776,139.035 h1.22
  text "Via" at 288.262,139.035 h1.22
  text "51" at 196.273,135.996 h1.22
  text "0,500mm (19,69mil)" at 208.529,135.996 h1.22
  text "PTH" at 232.33,135.996 h1.22
  text "Round" at 242.744,135.996 h1.22
  text "Top Layer - Bottom Layer" at 257.776,135.996 h1.22
  text "Pad" at 288.262,135.996 h1.22
  text "132" at 196.273,132.956 h1.22
  text "0,900mm (35,43mil)" at 208.529,132.956 h1.22
  text "PTH" at 232.33,132.956 h1.22
  text "Round" at 242.744,132.956 h1.22
  text "Top Layer - Bottom Layer" at 257.776,132.956 h1.22
  text "Pad" at 288.262,132.956 h1.22
  text "2" at 196.273,129.917 h1.22
  text "1,190mm (46,85mil)" at 208.529,129.917 h1.22
  text "NPTH" at 232.33,129.917 h1.22
  text "Round" at 242.744,129.917 h1.22
  text "Top Layer - Bottom Layer" at 257.776,129.917 h1.22
  text "Pad" at 288.262,129.917 h1.22
  text "8" at 196.273,126.878 h1.22
  text "3,200mm (125,98mil)" at 208.529,126.878 h1.22
  text "PTH" at 232.33,126.878 h1.22
  text "Round" at 242.744,126.878 h1.22
  text "Top Layer - Bottom Layer" at 257.776,126.878 h1.22
  text "Pad" at 288.262,126.878 h1.22
  text "472 Total" at 196.273,123.839 h1.22
  text "'.Layer_Name'" at 231.245,45.003 h2.5
  text "'.Layer_Name'" at 231.245,45.003 h2.5

## Dimensions
155.232,166.365 to 158.575,170.95 on Dimension
142.575,81.8 to 139.8,170.95 on Dimension
158.623,162.992 to 139.8,170.95 on Dimension
66.325,86.575 to 75.05,81.775 on Dimension
75.05,81.775 to 140.622,81.645 on Dimension
66.325,86.575 to 158.452,87.425 on Dimension
140.622,81.845 to 158.452,89.404 on Dimension
140.53,81.806 to 155.156,85.583 on Dimension
155.084,85.561 to 155.245,162.992 on Dimension

## Text inside footprints (layer, text, board x,y; h text height)
P2: Top Overlay "2" at 97.05,86.35 h1.27; Top Overlay "1" at 97.3,83.85 h1.27; Top Overlay "14" at 116.95,86.525 h1.27; Top Overlay "13" at 116.95,83.85 h1.27
P3: Top Overlay "1" at 81.7,139.416 h1; Top Overlay "2" at 93.95,139.543 h1
U16: Top Overlay "H1" at 146.425,160.225 h0.75; Top Overlay "H2" at 151.55,160.65 h0.75; Top Overlay "52" at 150.72,91.31 h0.75 r90; Top Overlay "51" at 145.96,93.76 h0.75 r90; Top Overlay "51" at 153.07,91.5 h0.75 r90; Top Overlay "52" at 157.66,93.64 h0.75 r90; Top Overlay "1" at 145.66,157.85 h0.75 r90; Top Overlay "2" at 150.71,159.94 h0.75 r90; Top Overlay "2" at 157.7,157.66 h0.75 r90; Top Overlay "1" at 152.575,160 h0.75 r90; ASM Top "PC104" at 150.49,143.33 h1 r90